# Altium PCB PCB1.PcbDoc
Units mm, origin at the board's own origin, x right, y up, seen from the top; angles counter-clockwise.
Board outline 100 x 100 mm, 2 copper layers (Top Layer, Bottom Layer); 83 components, 84 nets, 332 pads, 109 vias.
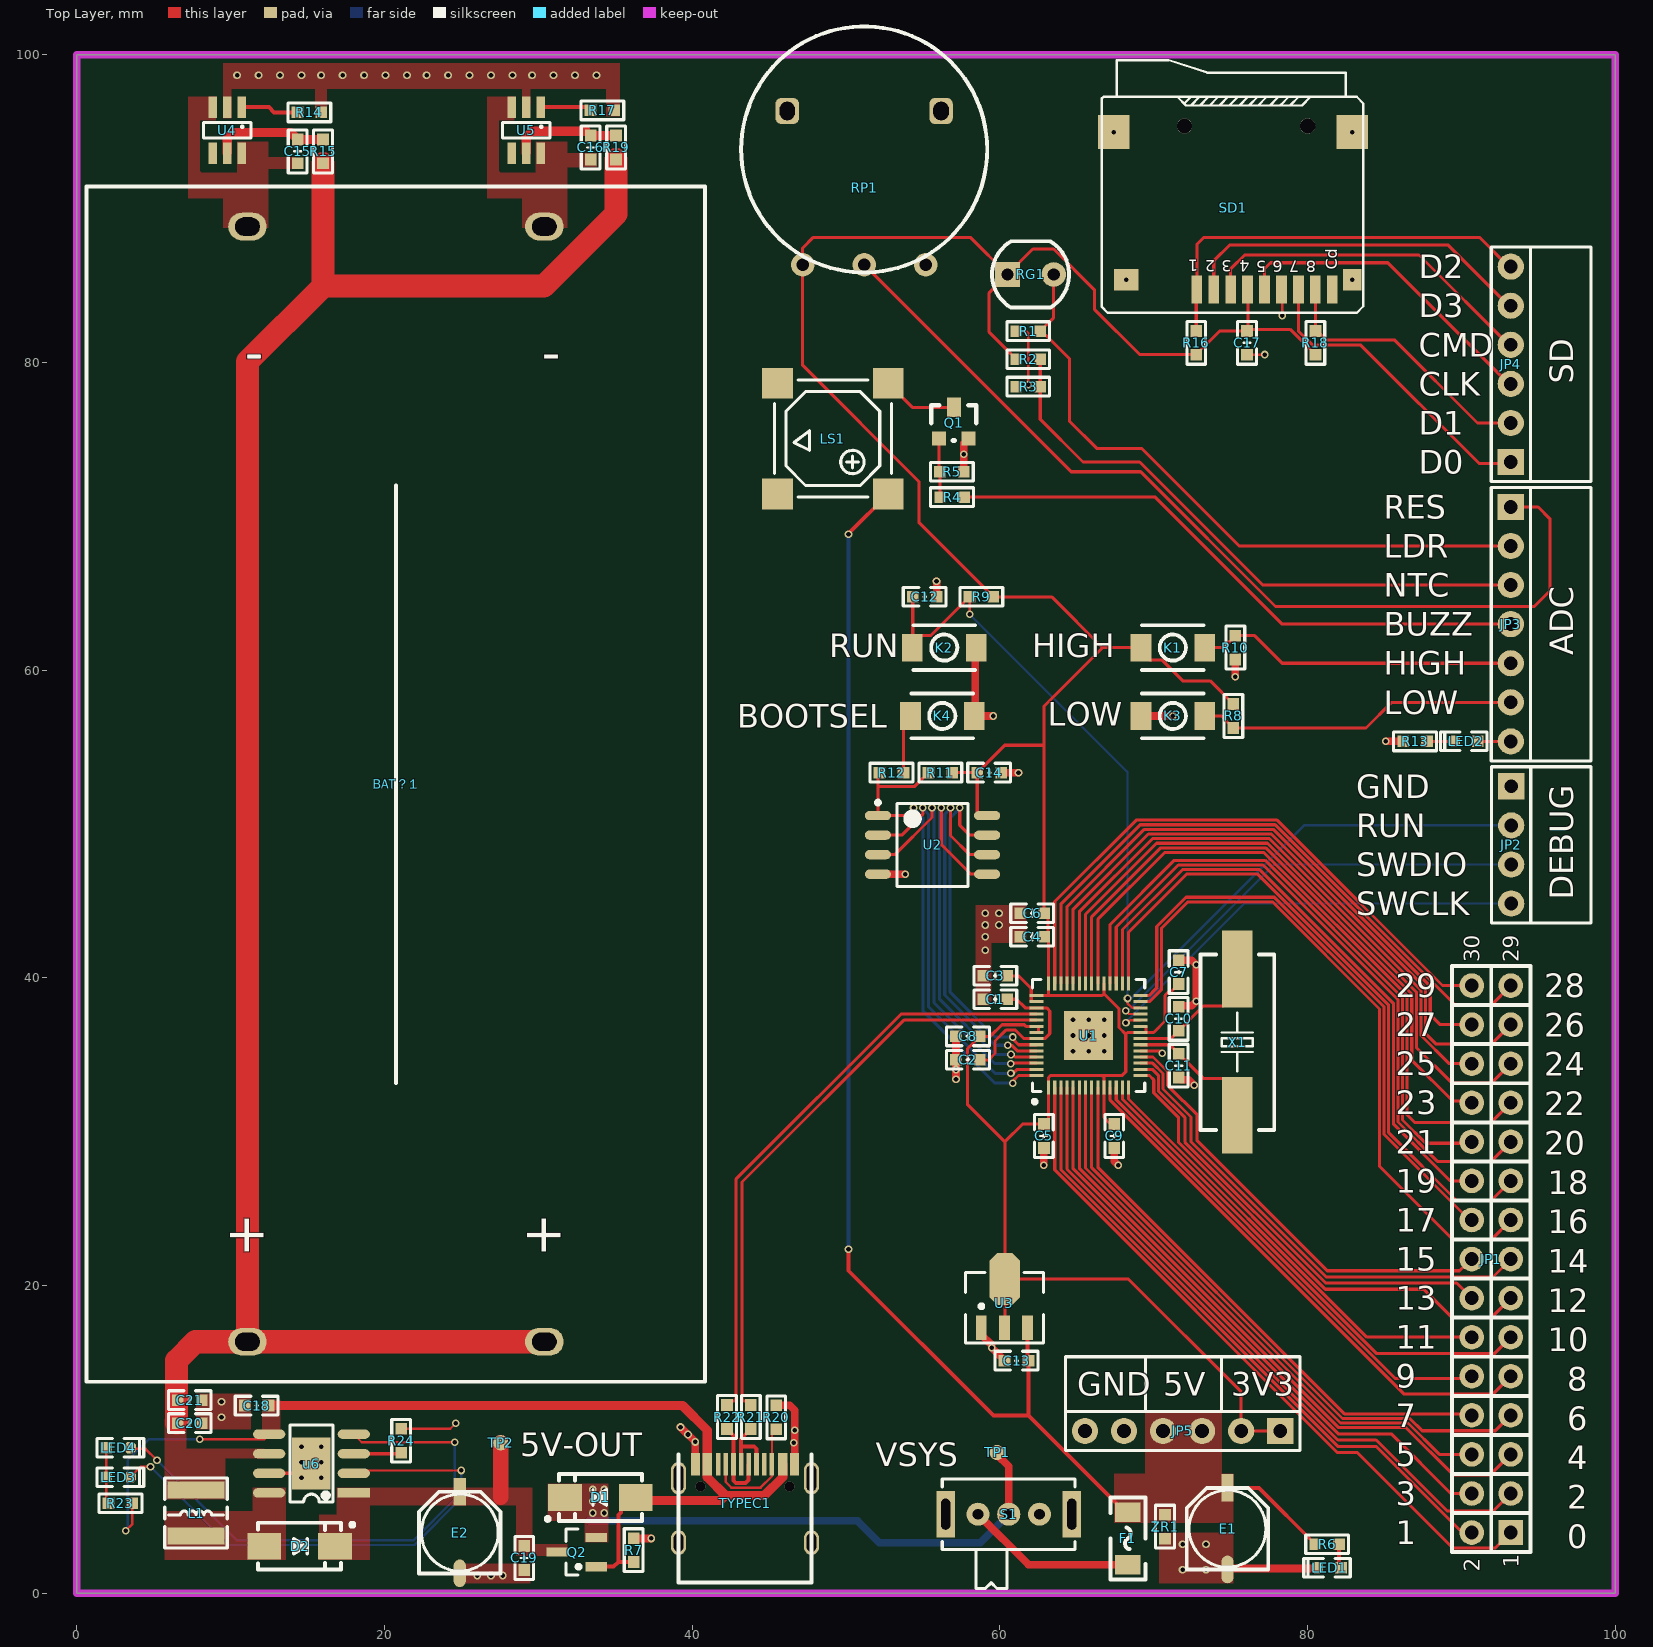
[diagram p0: Top Layer view]
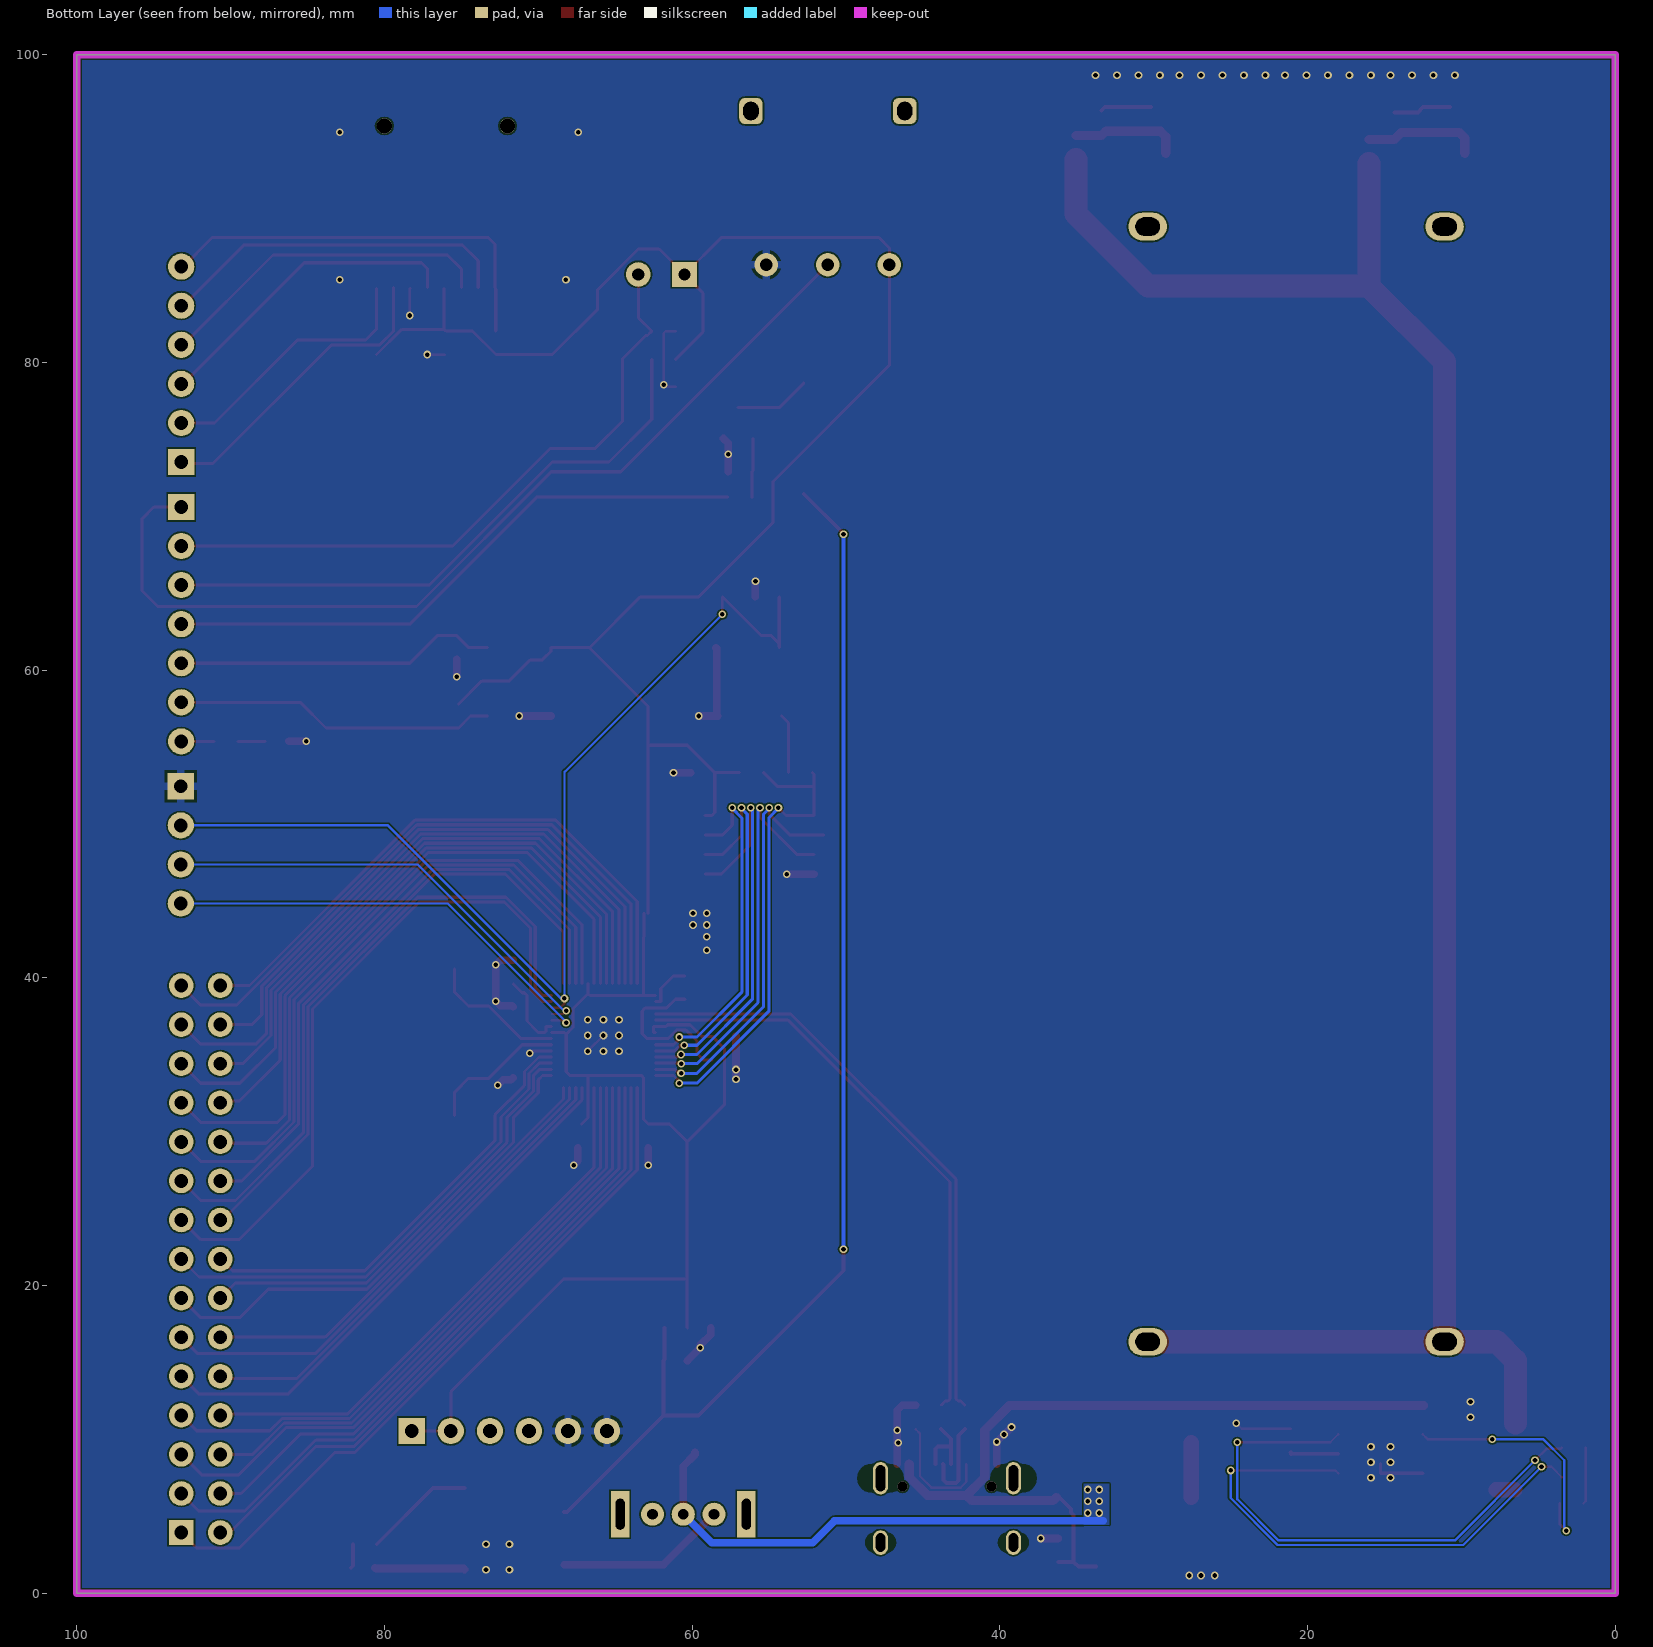
[diagram p1: Bottom Layer view, seen from below]

## Layer stack, top to bottom
Top Solder: solder mask 0.0102, Solder Resist, Dk 3.5
Top Layer: signal copper 0.0356
Dielectric 1: dielectric 0.32, FR-4, Dk 4.8
Bottom Layer: signal copper 0.0356
Bottom Solder: solder mask 0.0102, Solder Resist, Dk 3.5

## Board outline
0,0 100,0 100,100 0,100

## Design rules (kind name [scope] priority, off if disabled: settings)
Clearance [All] p1: gap=0.1 ignorepadtopadclearanceinfootprint=TRUE
ComponentClearance [All] p1 off: gap=0.254 collisioncheckmode=3 verticalgap=0.254 showdistances=FALSE
DiffPairsRouting [All] p1: maxlimit=0.254 minlimit=0.1 mostfreqgap=0.2 toplayer_minwidth=0.1 toplayer_maxwidth=0.381 toplayer_prefwidth=0.2 bottomlayer_minwidth=0.1 bottomlayer_maxwidth=0.381 bottomlayer_prefwidth=0.2 maxuncoupledlength=12.7
HoleSize [All] p1: absolutevalues=TRUE maxlimit=2.54 minlimit=0.3 maxpercent=80.000 minpercent=20.000
MinimumSolderMaskSliver [All] p1 off: minsoldermaskwidth=0.254
PasteMaskExpansion [All] p1 off: expansion=0
PolygonConnect PolygonConnect_2 [All vs IsNamedPolygon('GND_L02_P024')] p1: thpad.connectstyle=Relief thpad.reliefconductorwidth=0.5 thpad.reliefentries=4 thpad.polygonreliefangle="90 Angle" thpad.airgapwidth=0.2 smdpad.connectstyle=Relief smdpad.reliefconductorwidth=0.4 smdpad.reliefentries=4 smdpad.polygonreliefangle="90 Angle" smdpad.airgapwidth=0.2 via.connectstyle=Direct via.reliefconductorwidth=0.254 via.reliefentries=4 via.polygonreliefangle="90 Angle" via.airgapwidth=0.254
PolygonConnect PolygonConnect_1 [All vs IsNamedPolygon('GND_L02_P024')] p2: connectstyle=Relief reliefconductorwidth=0.254 reliefentries=4 polygonreliefangle="90 Angle" airgapwidth=0.254
PolygonConnect [All] p3: connectstyle=Direct reliefconductorwidth=0.254 reliefentries=4 polygonreliefangle="90 Angle" airgapwidth=0.254
RoutingVias [All] p1: holewidth=0.3 width=0.5 viastyle="Through Hole" minholewidth=0.3 minwidth=0.5 maxholewidth=0.711 maxwidth=1.27
SilkToSilkClearance [All] p1 off: silktosilkclearance=0.254
SilkToSolderMaskClearance [IsPad] p1 off: minsilkscreentomaskgap=0.254 clearancetoexposedcopper=TRUE
SolderMaskExpansion [IsVia] p1: expansion=0.102 istentingtop=TRUE
Width [All] p1: maxlimit=10 minlimit=0.1 preferedwidth=0.15
23 further rules are at their usual default settings.

## Classes and differential pairs
differential pair D: +D_P -D_N

## Components (designator, comment, footprint, x,y, rotation, side; value= is the part's Value field where it differs from the comment)
BAT？1 "18650两节电池盒" 18650两节电池盒 20.74,52.59 r90 top locked
C1 "1u" "C 0603_L" 59.705,38.608 r0 top
C2 "0.1u" "C 0603_L" 57.927,34.671 r0 top
C3 "0.1uF" "C 0603_L" 59.705,40.132 r0 top
C4 "0.1uF" "C 0603_L" 62.103,42.672 r0 top
C5 "0.1uF" "C 0603_L" 62.865,29.718 r90 top
C6 "0.1uF" "C 0603_L" 62.103,44.196 r0 top
C7 "0.1uF" "C 0603_L" 71.628,40.371 r270 top
C8 "0.1uF" "C 0603_L" 57.927,36.195 r0 top
C9 "0.1uF" "C 0603_L" 67.437,29.718 r90 top
C10 "9pF" "C 0603_L" 71.628,37.338 r270 top
C11 "9pF" "C 0603_L" 71.628,34.29 r90 top
C12 "16V/0.1uF" "C 0603_L" 55.118,64.77 r180 top
C13 "16V/0.1uF" "C 0603_L" 61.087,15.113 r0 top
C14 "16V/0.1uF" "C 0603_L" 59.309,53.34 r0 top
C15 "16V/0.1uF" "C 0603_L" 14.351,93.726 r270 top
C16 "16V/0.1uF" "C 0603_L" 33.401,93.98 r270 top
C17 "0.1uF" "C 0603_L" 76.073,81.28 r270 top
C18 "10uF" "C 0603_L" 11.684,12.192 r0 top
C19 "16V/0.1uF" "C 0603_L" 29.083,2.286 r90 top
C20 "16V/22uF" "C 0603_L" 7.336,11.049 r180 top
C21 "16V/22uF" "C 0603_L" 7.336,12.543 r180 top
D1 "SS32" SMA 34.036,6.223 r180 top
D2 "SS32" SMA 14.478,3.048 r0 top
E1 "16V/47uF" "CM C(5*5.4)" 74.803,4.191 r90 top
E2 "16V/47uF" "CM C(5*5.4)" 24.892,3.937 r90 top
F1 "MSMD200-8V 2A" "FU 1206" 68.326,3.556 r90 top
JP1 "Header 2X11" HDR2.54-LI-2x15P 91.948,21.717 r90 top
JP2 "DEBUG" HDR2.54-LI-4P 93.245,48.641 r270 top
JP3 "HDR-1X7" HDR2.54-LI-7P 93.218,62.992 r270 top
JP4 "HDR-1X6" HDR2.54-LI-6P 93.218,79.883 r90 top
JP5 "HDR-1X6" HDR2.54-LI-6P 71.882,10.541 r180 top
K1 "HIGH" 轻触按键 71.247,61.468 r0 top
K2 "RUN" 轻触按键 56.388,61.468 r0 top
K3 "LOW" 轻触按键 71.247,57.023 r0 top
K4 "BOOTSEL" 轻触按键 56.261,57.023 r180 top
L1 "22uH" NR4020 7.747,5.207 r90 top
LED1 "ON" "LED 0603R" 81.407,1.651 r180 top
LED2 "红色" "LED 0603R" 90.297,55.372 r180 top
LED3 "绿色" "LED 0603G" 2.692,7.539 r0 top
LED4 "红色" "LED 0603R" 2.692,9.451 r0 top
LS1 "DC5V" BUZZER-7525 50.419,73.533 r180 top
Q1 "SS8050" SOT-23 56.058,75.057 r0 top
Q2 "AO3401" SOT23 33.756,1.717 r90 top
R1 "10k" "R 0603_L" 61.849,82.042 r0 top
R2 "NTC" "R 0603_L" 61.849,80.21 r0 top
R3 "10k" "R 0603_L" 61.849,78.432 r0 top
R4 "1K" "R 0603_L" 56.896,71.247 r180 top
R5 "10k" "R 0603_L" 56.881,72.898 r180 top
R6 "10k" "R 0603_L" 81.28,3.175 r180 top
R7 "10k" "R 0603_L" 36.195,2.794 r270 top
R8 "1K" "R 0603_L" 75.184,57.023 r90 top
R9 "10k" "R 0603_L" 58.801,64.77 r180 top
R10 "1K" "R 0603_L" 75.311,61.468 r90 top
R11 "10k" "R 0603_L" 56.134,53.34 r0 top
R12 "10k" "R 0603_L" 52.959,53.34 r0 top
R13 "1K" "R 0603_L" 86.995,55.372 r0 top
R14 "1K" "R 0603_L" 15.113,96.266 r180 top
R15 "100" "R 0603_L" 16.002,93.726 r270 top
R16 "1K" "R 0603_L" 72.771,81.28 r270 top
R17 "1K" "R 0603_L" 34.163,96.393 r180 top
R18 "1K" "R 0603_L" 80.518,81.28 r270 top
R19 "100" "R 0603_L" 35.052,93.98 r270 top
R20 "27R" "R 0603_L" 45.466,11.43 r90 top
R21 "27R" "R 0603_L" 43.815,11.445 r270 top
R22 "27R" "R 0603_L" 42.266,11.445 r270 top
R23 "4.7k" "R 0603_L" 2.83,5.842 r0 top
R24 "1.1k" "R 0603_L" 21.082,9.906 r270 top
RG1 "Photoresistor" Photoresistor 60.5,85.725 r0 top
RP1 "10K" 拨盘电位器 51.181,93.853 r0 top
S1 "SS-12F23" SK-12D07VG3 60.579,5.13 r0 top
SD1 "MicroSD" "Micro SD" 82.909,94.977 r180 top
TP1 "VSYS" "TEST 1" 59.817,9.144 r90 top
TP2 "5V-OUT" "TEST 1" 27.559,9.779 r90 top
TYPEC1 "TYPEC16P" TYPEC-16P 43.434,8.382 r0 top
U1 "RP2040" QFN-56 65.77,36.249 r90 top
U2 "W125Q128JV" SOIC-8-208MIL 55.626,48.641 r0 top
U3 "AMS1117" SOT89 58.798,17.252 r0 top
U4 "DW06D" SOT23-6 10.729,96.599 r180 top
U5 "DW06D" SOT23-6 30.16,96.599 r180 top
u6 "TP5400" ESOP8 15.25,8.425 r180 top
X1 "12M" "OSC HC-49SMD" 75.438,35.814 r270 top
ZR1 "471K" "R 0603_L" 70.739,4.318 r90 top

## Footprints (in the part's own frame and the unit in brackets; to place one, negate y for a bottom-side part, rotate by r counter-clockwise, add the part's x,y. Pads: shape width x height; smd on the part's side, far side on the other; paste and mask are expansions set on the pad)
18650两节电池盒 [mm]
  oval 1.8x2.5 hole 1.6 slot 1.2 at 0 deg: 1(-36.25,9.65) 2(-36.25,-9.65) 3(36.25,-9.65) 4(36.25,9.65)
  silkscreen extent -38.85,-20.1 38.85,20.1
BUZZER-7525 [mm] "长：7.5mm，宽：7.5mm，高：2.5mm"
  rect 2x2 smd: 1(-2.33,2.076) 2(-2.33,-5.124) 3(4.87,-5.124) 4(4.87,2.076)
  silkscreen extent -2.53,-5.32 5.07,2.28, body extent -2.48,-5.27 5.02,2.23, height 2.55
"C 0603_L" [mil] "无极性贴片电容"
  rect 30x30 smd: 1(-30.59,0) 2(30.59,0)
  silkscreen extent -55,-24 55,24, body extent -31,-16 31,16, height 32
"CM C(5*5.4)" [mm] "贴片电解电容，直径5mm，高5.4mm"
  rect 1.8x0.8 smd: 1(2.65,0)
  oval 1.8x0.8 smd: 2(-2.65,0)
  silkscreen extent -2.65,-2.65 2.65,2.65, body extent -2.95,-2.65 2.95,2.65, height 5.4
ESOP8 [mm]
  rect 2.1x0.6 smd: 1(-2.75,1.905)
  oval 2.1x0.6 smd: 2(-2.75,0.635) 3(-2.75,-0.635) 4(-2.75,-1.905) 5(2.75,-1.905) 6(2.75,-0.635) 7(2.75,0.635) 8(2.75,1.905)
  rect 2.5x3.4 smd paste-2: 9(0,0)
  rect 0.9x0.7 on Top Paste: 10(-0.625,1.1) 10(-0.625,0) 10(-0.625,-1.1) 11(0.65,1.1) 11(0.65,0) 11(0.65,-1.1)
  silkscreen extent -1.4,-2.5 1.4,2.5, body extent -3.05,-2.5 2.95,2.5, height 1.53
"FU 1206" [mil] "贴片保险丝"
  rect 50x65 smd: 1(-67.5,0) 2(67.5,0)
  silkscreen extent -105,-45 105,45, body extent -63,-32 63,32, height 34
HDR2.54-LI-2x15P [mm] "双排排针，15x2脚"
  rect 1.6x1.6 hole 0.9: 1(-17.78,-1.27)
  round 1.6 hole 0.9: 2(-17.78,1.27) 3(-15.24,-1.27) 4(-15.24,1.27) 5(-12.7,-1.27) 6(-12.7,1.27) 7(-10.16,-1.27) 8(-10.16,1.27) 9(-7.62,-1.27) 10(-7.62,1.27) 11(-5.08,-1.27) 12(-5.08,1.27) 13(-2.54,-1.27) 14(-2.54,1.27) 15(0,-1.27) 16(0,1.27) 17(2.54,-1.27) 18(2.54,1.27) 19(5.08,-1.27) 20(5.08,1.27) 21(7.62,-1.27) 22(7.62,1.27) 23(10.16,-1.27) 24(10.16,1.27) 25(12.7,-1.27) 26(12.7,1.27) 27(15.24,-1.27) 28(15.24,1.27) 29(17.78,-1.27) 30(17.78,1.27)
  silkscreen extent -19.05,-2.54 19.05,2.54, body extent -19.05,-2.54 19.05,2.54, height 8.5
HDR2.54-LI-4P [mm] "排针，4脚"
  rect 1.7x1.7 hole 0.9: 1(-3.81,0)
  round 1.7 hole 0.9: 2(-1.27,0) 3(1.27,0) 4(3.81,0)
  silkscreen extent -5.08,-1.27 5.08,1.27, body extent -5.08,-1.27 5.08,1.27, height 8.5
HDR2.54-LI-6P [mm] "排针，6脚"
  rect 1.7x1.7 hole 0.9: 1(-6.35,0)
  round 1.7 hole 0.9: 2(-3.81,0) 3(-1.27,0) 4(1.27,0) 5(3.81,0) 6(6.35,0)
  silkscreen extent -7.62,-1.27 7.62,1.27, body extent -7.62,-1.27 7.62,1.27, height 8.5
HDR2.54-LI-7P [mm] "排针，8脚"
  rect 1.7x1.7 hole 0.9: 1(-7.62,0)
  round 1.7 hole 0.9: 2(-5.08,0) 3(-2.54,0) 4(0,0) 5(2.54,0) 6(5.08,0) 7(7.62,0)
  silkscreen extent -8.89,-1.27 8.89,1.27, body extent -8.89,-1.27 8.89,1.27, height 8.5
"LED 0603G" [mil] "绿色0603LED"
  rect 30x30 smd: 1(-30.59,0)
  oct 30x30 smd: 2(30.59,0)
  silkscreen extent -54,-24 65,24, body extent -31,-16 32,16, height 24
"LED 0603R" [mil] "红色0603LED"
  rect 30x30 smd: 1(-30.59,0)
  oct 30x30 smd: 2(30.59,0)
  silkscreen extent -54,-24 65,24, body extent -31,-16 32,16, height 24
"Micro SD" [mm]
  rect 2.032x2.2 smd: 0(0,0) 0(15.5,0)
  rect 1.2x1.4 smd: 0(0,9.6)
  rect 1.6x1.4 smd: 0(14.7,9.6)
  rect 0.7x1.8 smd: 1(10.1,10.227) 2(9,10.227) 3(7.9,10.227) 4(6.8,10.227) 5(5.7,10.227) 6(4.6,10.227) 7(3.5,10.227) 8(2.4,10.227) 9(1.3,10.227)
  round 1 hole 1 unplated: ""(2.9,-0.4) ""(10.9,-0.4)
  silkscreen extent -0.72,-4.68 16.27,11.75, body extent -0.27,-4.63 16,10.57, height 1.8
NR4020 [mm] "4.0mm*4.0mm*2.0mm(长*宽*高）"
  rect 1.1x3.7 smd: 1(-1.5,0) 2(1.5,0)
  silkscreen extent -2.29,-2.03 2.29,2.03, body extent -2,-2 2,2, height 2.1
"OSC HC-49SMD" [mm]
  rect 5x2 smd: 1(-4.75,0) 2(4.75,0)
  silkscreen extent -5.7,-2.4 5.7,2.4, body extent -6.37,-2.41 6.63,2.24, height 4.63
Photoresistor [mm]
  rect 1.6x1.6 hole 0.8: 1(0,0)
  round 1.6 hole 0.8: 2(3,0)
  silkscreen extent -1,-2.16 4,2.16, body extent -1,-2.16 4,2.14, height 1.9
QFN-56 [mm] "RP2040"
  rect 0.9x0.2 smd: 1(-3.375,2.6) 2(-3.375,2.2) 3(-3.375,1.8) 4(-3.375,1.4) 5(-3.375,1) 6(-3.375,0.6) 7(-3.375,0.2) 8(-3.375,-0.2) 9(-3.375,-0.6) 10(-3.375,-1) 11(-3.375,-1.4) 12(-3.375,-1.8) 13(-3.375,-2.2) 14(-3.375,-2.6) 29(3.375,-2.6) 30(3.375,-2.2) 31(3.375,-1.8) 32(3.375,-1.4) 33(3.375,-1) 34(3.375,-0.6) 35(3.375,-0.2) 36(3.375,0.2) 37(3.375,0.6) 38(3.375,1) 39(3.375,1.4) 40(3.375,1.8) 41(3.375,2.2) 42(3.375,2.6)
  rect 0.2x0.9 smd: 15(-2.6,-3.375) 16(-2.2,-3.375) 17(-1.8,-3.375) 18(-1.4,-3.375) 19(-1,-3.375) 20(-0.6,-3.375) 21(-0.2,-3.375) 22(0.2,-3.375) 23(0.6,-3.375) 24(1,-3.375) 25(1.4,-3.375) 26(1.8,-3.375) 27(2.2,-3.375) 28(2.6,-3.375) 43(2.6,3.375) 44(2.2,3.375) 45(1.8,3.375) 46(1.4,3.375) 47(1,3.375) 48(0.6,3.375) 49(0.2,3.375) 50(-0.2,3.375) 51(-0.6,3.375) 52(-1,3.375) 53(-1.4,3.375) 54(-1.8,3.375) 55(-2.2,3.375) 56(-2.6,3.375)
  rect 3.2x3.2 smd: 57(0,0)
  silkscreen extent -4.42,-3.65 3.65,3.65, body extent -3.5,-3.5 3.5,3.5, height 0.9
"R 0603_L" [mil] "1/10W贴片电阻"
  rect 30x30 smd: 1(-30.59,0) 2(30.59,0)
  silkscreen extent -55,-24 55,24, body extent -31,-16 32,16, height 16
SK-12D07VG3 [mm] "侧脚支架小型拨动开关"
  rect 1.2x3 hole 0.6 slot 2 at 90 deg unplated: 0(-4.1,0) 0(4.1,0)
  round 1.5 hole 0.7: 1(-2,0) 2(0,0) 3(2,0)
  silkscreen extent -4.32,-4.83 4.32,2.29, body extent -4.3,-4.85 4.3,2.25, height 4.75